# Altium PCB PCBv1.3.PcbDoc (part 2 of 2)
Units mil, origin at the board's own origin, x right, y up, seen from the top; angles counter-clockwise.
Board outline 3700.79 x 5244.09 mil, 2 copper layers (Top Layer, Bottom Layer), stack 63.6 mil thick; 137 components, 118 nets, 592 pads, 791 vias.
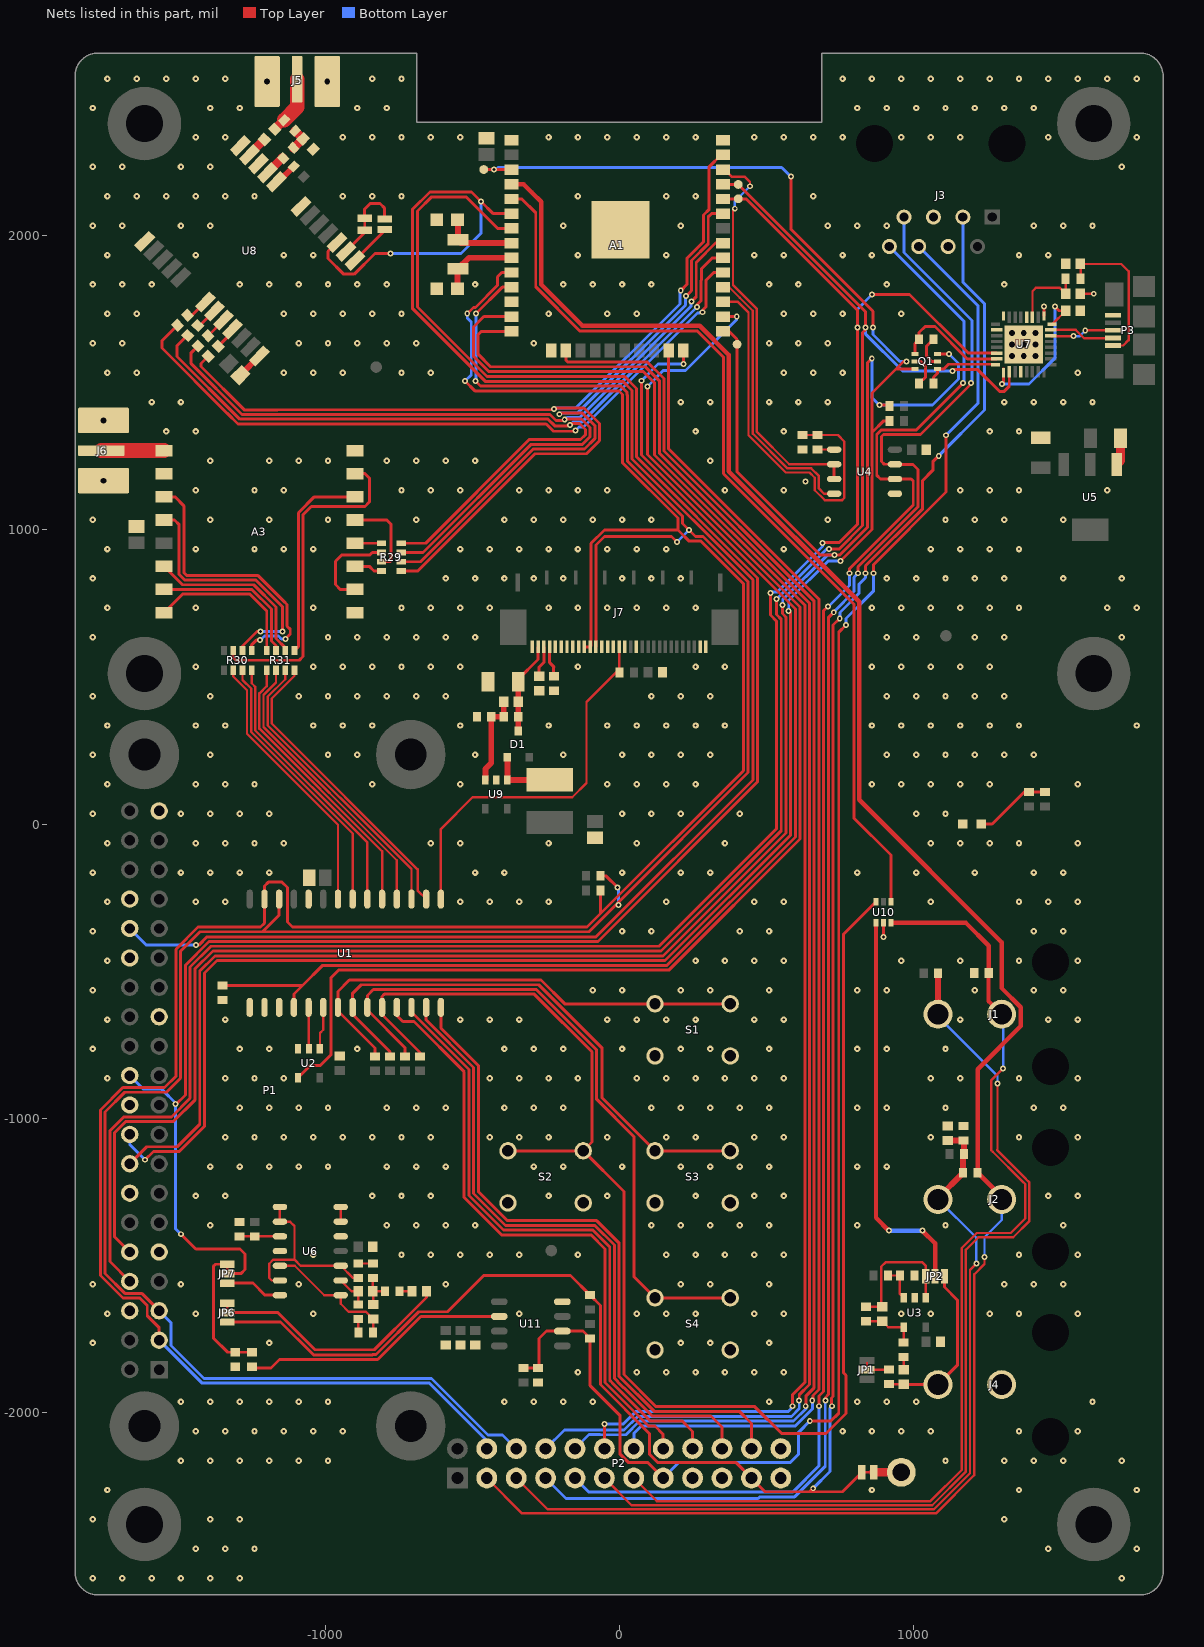
[diagram p2: the nets of this part, all layers, seen from the top]

## Via types
v1: diameter 22, hole 8, Top Layer to Bottom Layer, tented both sides, 673 vias
v2: diameter 20, hole 10, Top Layer to Bottom Layer, tented both sides, 102 vias
v3: diameter 35, hole 20, Top Layer to Bottom Layer, tented top, 9 vias
v4: diameter 50, hole 28, Top Layer to Bottom Layer, tented both sides, 7 vias

## Nets (pads, with @x,y where several pads share a name; then routed paths per layer and width w, separated by ;. In a path a pad name is that pad's centre, name@x,y a point inside that pad or via, vN(x,y) a via of type N, cw(c..) or ccw(c..) an arc to the next point about the centre after c; other vN are vias at no path point) (continued)
60Hz: A1.7 JP7.2 P1.22 | length 6791
  Top Layer w10: v2(-1508.47,-952.26) -1508.47,-954.79 -1475,-921.32 -1475,-480 -1394.75,-399.75 -72.17,-399.75 471,143.42 471,837.02 59.83,1248.19 59.83,1472.64 59.54,1472.94 59.54,1481 18.93,1521.61 -448.82,1521.61 -685.91,1758.69 -685.91,2084.57 -637.43,2133.05 -520.32,2133.05 -412.87,2025.6 A1.7@-366.24,2025.6 ; v2(-1490,-1395.04) -1439.56,-1445.48 -1289.28,-1445.48 -1272.18,-1462.59 -1272.18,-1514.77 -1286.7,-1529.29 JP7.2@-1332.48,-1529.29
  Bottom Layer w10: P1.22@-1664.17,-855.51 -1617.56,-902.13 -1555.37,-902.13 -1505.24,-952.26 v2(-1508.47,-952.26) -1508.47,-1376.57 v2(-1490,-1395.04)
60HzAnt: J3.3 JP5.2 JP6.1 P2.21 R46.1 | length 7459.5
  Top Layer w10: JP6.1@-1332.48,-1693.73 -1151.14,-1693.73 -1039.67,-1805.2 -839.3,-1805.2 -838.2,-1804.11 -826.47,-1804.11 -681.04,-1658.69 -583.81,-1658.69 -460.49,-1535.37 -165.46,-1535.37 R46.1@-98.43,-1602.4 -63.71,-1637.12 -63.71,-1906.29 103.57,-2073.57 103.57,-2143.64 130.77,-2170.84 396.43,-2170.84 P2.21@450,-2224.41 496.43,-2270.84 648.5,-2270.84 ; v2(660.13,-2259.21) 648.5,-2270.84 ; v2(723.92,-1980) 722.6,-1978.68 722.6,-1951.99 727.51,-1947.08 727.51,676.47 v2(750.34,699.3) ; JP5.2@825.69,-2204.72 759.57,-2270.84 648.5,-2270.84 ; v2(838.28,852.73) 838.28,878.03 1032.3,1072.05 1032.3,1168.34 1066.95,1202.98 1066.95,1231.9 v2(1087.15,1252.1)
  Bottom Layer w10: v2(660.13,-2259.21) 717,-2202.34 717,-1986.92 v2(723.92,-1980) ; v2(750.34,699.3) 751,699.96 751,719.5 815.16,783.66 815.16,814.57 838.28,837.7 v2(838.28,852.73) ; v2(1087.15,1252.1) 1242.77,1407.73 1242.77,1769.57 1168.96,1843.38 J3.3@1168.96,2064
60HzAntRef: J3.6 P2.15 R44.2 R45.2 R47.1 U11.2 | length 5941.4
  Top Layer w10: R47.1@-325.41,-1850.22 R45.2@-275.7,-1850.22 -272.06,-1846.58 -272.06,-1750 -246.75,-1724.69 U11.2@-193.04,-1724.69 -123.03,-1724.69 R44.2@-98.43,-1749.3 -98.43,-1910.32 3.57,-2012.31 3.57,-2143.64 30.77,-2170.84 96.43,-2170.84 P2.15@150,-2224.41 ; v2(648.5,-2030.68) 719.99,-2030.68 746.91,-2003.76 746.91,651.74 v2(771.64,676.47) ; v2(865.69,852.73) 865.69,882.65 1111.71,1128.67 v2(1111.71,1322.18)
  Bottom Layer w10: P2.15@150,-2224.41 203.57,-2170.84 582.64,-2170.84 610.74,-2142.74 610.74,-2068.44 v2(648.5,-2030.68) ; v2(771.64,676.47) 771.64,698.96 865.69,793.01 v2(865.69,852.73) ; J3.6@1018.96,1964 1220.37,1762.59 1220.37,1430.84 v2(1111.71,1322.18)
60HzPulse_OffBoard: JP7.3 R42.1 R43.2 | length 445.3
  Top Layer w10: JP7.3@-1332.48,-1497.29 -1372.88,-1497.29 -1379.94,-1504.35 -1379.94,-1747.66 -1331.01,-1796.6 R43.2@-1305.17,-1796.6 R42.1@-1248.65,-1796.6
60HzPulse_OnBoard: JP7.1 U6.14 | length 196
  Top Layer w10: JP7.1@-1332.48,-1561.29 -1245.4,-1561.29 -1204.28,-1602.4 U6.14@-1153.52,-1602.4
BTN1: R36.1 S1.1 S1.2 U1.21 | length 1656.2
  Top Layer w10: R36.1@-830.4,-790.04 -830.4,-761.91 -956.05,-636.25 U1.21@-956.05,-623.67 -956.05,-569.31 -917.4,-530.66 -265.69,-530.66 -184.93,-611.42 S1.1@122.05,-611.42 S1.2@377.95,-611.42
BTN2: R37.1 S3.1 S3.2 U1.22 | length 1896.2
  Top Layer w10: R37.1@-779.25,-790.04 -779.25,-774.93 -906.05,-648.12 U1.22@-906.05,-623.67 -906.05,-575.63 -877.08,-546.66 -273.08,-546.66 -58.84,-760.9 -58.84,-930.53 S3.1@122.05,-1111.42 S3.2@377.95,-1111.42
BTN3: R38.1 S4.1 S4.2 U1.23 | length 2314.7
  Top Layer w10: R38.1@-728.1,-790.04 -728.1,-760.6 -856.05,-632.64 U1.23@-856.05,-623.67 -856.05,-582.93 -835.78,-562.66 -281.79,-562.66 -76.31,-768.14 -76.31,-936.2 50.75,-1063.26 50.75,-1540.12 S4.1@122.05,-1611.42 S4.2@377.95,-1611.42
BTN4: R39.1 S2.3 S2.4 U1.24 U10.6 | length 5135.3
  Top Layer w10: R39.1@-676.95,-790.04 -676.95,-776.93 -806.05,-647.83 U1.24@-806.05,-623.67 -806.05,-586.2 -798.51,-578.66 -288.42,-578.66 -92.31,-774.77 -92.31,-1081.69 S2.3@-122.05,-1111.42 ; S2.4@-377.95,-1111.42 S2.3@-122.05,-1111.42 ; U10.6@873.74,-264.13 762.91,-374.96 762.91,-1866.31 771.64,-1875.04 771.64,-2005.17 703.97,-2072.84 552.96,-2072.84 461.64,-1981.52 125.82,-1981.52 16.29,-1872 16.29,-1249.76 S2.3@-122.05,-1111.42
C\S\_SX: A3.5 R29.7 | length 286
  Top Layer w10: A3.5@-898.19,1033.87 -790.15,1033.87 -775.26,1018.98 -775.26,896.87 -780.23,891.89 R29.7@-808,891.89
CT: A1.4 J2.1 P2.3 R8.2 | length 7262.9
  Top Layer w8: P2.3@-450,-2224.41 -329.76,-2344.65 1077.53,-2344.65 1207.93,-2214.26 1207.93,-1531.59 1242.77,-1496.75 v2(1242.77,-1472.6)
  Top Layer w15: A1.4@-368.89,2175.16 -324.29,2175.16 -297.17,2148.04 -265.03,2115.89 -265.03,1834.81 -124.86,1694.64 273.85,1694.64 373.27,1595.22 373.27,1199.05 816.69,755.62 816.69,82.1 1300.75,-401.96 1300.75,-557.84 1366.29,-623.38 1366.29,-686.84 1219.35,-833.77 R8.2@1219.35,-1186.09 1301.08,-1267.81 J2.1@1301.08,-1276.77
  Bottom Layer w8: v2(1242.77,-1472.6) 1242.77,-1405.11 1301.08,-1346.81 J2.1@1301.08,-1276.77
CT_N: C29.2 J2.2 P2.5 R8.1 R9.1 R10.2 | length 2923.2
  Top Layer w8: P2.5@-350,-2224.41 -243.76,-2330.65 1071.02,-2330.65 1193.43,-2208.25 1193.43,-1516.57 v2(1215,-1495)
  Top Layer w20: J2.2@1084.54,-1276.77 1084.54,-1271.69 R8.1@1170.14,-1186.09 1170.14,-1124.87 R9.1@1172.53,-1122.49 1172.53,-1077.4 R10.2@1171.7,-1076.58 1118.68,-1076.58 C29.2@1118.26,-1076.16
  Bottom Layer w8: J2.2@1084.54,-1276.77 1215,-1407.23 v2(1215,-1495)
D_SEL: JP4.2 U8.2 | length 98.3
  Top Layer w10: U8.2@-928.85,1947.58 -865.44,2011 JP4.2@-865.44,2019.59
DIO0: R31.3 U1.3 | length 1005.9
  Top Layer w8: R31.3@-1135.42,522.96 -1135.42,492.45 -1195.27,432.59 -1195.27,336.01 -706.05,-153.21 U1.3@-706.05,-255.56
DIO0_SX: A3.14 R31.6 | length 599.5
  Top Layer w10: A3.14@-1547.8,876.39 -1485.06,813.65 -1242.33,813.65 -1166.41,737.73 -1166.41,630.53 -1135.42,599.54 R31.6@-1135.42,589.88
DIO1: R31.2 U1.4 | length 983.8
  Top Layer w8: R31.2@-1166.91,522.96 -1166.91,480.75 -1209.27,438.39 -1209.27,330.1 -756.05,-123.12 U1.4@-756.05,-255.56
DIO1_SX: A3.15 R31.7 | length 540.6
  Top Layer w10: A3.15@-1547.8,797.65 -1248.95,797.65 -1182.41,731.1 -1182.41,622.12 -1166.91,606.63 R31.7@-1166.91,589.88
DIO2: R31.1 U1.5 | length 961.6
  Top Layer w8: R31.1@-1198.41,522.96 -1198.41,469.06 -1223.27,444.19 -1223.27,324.3 -806.05,-92.92 U1.5@-806.05,-255.56
DIO2_SX: A3.16 R31.8 | length 533.8
  Top Layer w10: A3.16@-1547.8,718.48 -1484.63,781.65 -1255.58,781.65 -1198.41,724.48 R31.8@-1198.41,589.88
DIO3: R30.4 U1.6 | length 941.5
  Top Layer w8: R30.4@-1249.5,522.96 -1249.5,478.54 -1237.27,466.32 -1237.27,318.5 -856.05,-62.72 U1.6@-856.05,-255.56
DIO3_SX: A3.11 R30.5 | length 982.6
  Top Layer w10: A3.11@-1547.8,1112.61 -1510.62,1112.61 -1480.22,1082.21 -1480.22,855.04 -1470.83,845.65 -1229.07,845.65 -1139.01,755.58 -1138.37,755.58 -1129,746.21 -1129,672.8 -1118.38,662.18 -1118.38,645.81 v2(-1135.18,629) ; R30.5@-1249.5,589.88 -1249.5,609.5 -1233.86,625.14 v2(-1221.25,625.14)
  Bottom Layer w10: v2(-1221.25,625.14) -1220.16,625.14 -1206.3,639 -1158.7,639 -1148.63,628.94 -1148.57,629 v2(-1135.18,629)
DIO4: R30.3 U1.7 | length 933.8
  Top Layer w8: R30.3@-1280.99,522.96 -1280.99,490.24 -1251.27,460.52 -1251.27,312.7 -906.05,-32.52 U1.7@-906.05,-255.56
DIO4_SX: A3.12 R30.6 | length 880.8
  Top Layer w10: A3.12@-1547.8,1033.87 -1512.03,1033.87 -1496.22,1018.06 -1496.22,848.42 -1477.46,829.65 -1235.7,829.65 -1145.64,739.58 -1145,739.58 v2(-1145,655) ; R30.6@-1280.99,589.88 -1280.99,605.58 -1231.58,655 v2(-1220,655)
  Bottom Layer w10: v2(-1220,655) v2(-1145,655)
DIO5: R30.2 U1.8 | length 926.2
  Top Layer w8: R30.2@-1312.49,522.96 -1312.49,501.94 -1265.27,454.72 -1265.27,306.91 -956.05,-2.32 U1.8@-956.05,-255.56
DIO5\_SX: A3.7 R30.7 | length 1132.2
  Top Layer w10: R30.7@-1312.49,589.88 -1312.49,566.88 -1302.45,556.84 -1087.69,556.84 -1074.79,569.74 -1074.79,1051.66 -1046.74,1079.7 -864.58,1079.7 -849.41,1094.88 -849.41,1176.84 -863.92,1191.35 A3.7@-898.19,1191.35
Filtered: C14.1 R24.1 U6.1 U6.12 | length 455.3
  Top Layer w8: U6.12@-1153.52,-1502.4 -1102.86,-1502.4 -1002.86,-1602.4 U6.1@-946.83,-1602.4 -946.83,-1631.72 -919.78,-1658.77 -860.93,-1658.77 C14.1@-836.31,-1683.38 -836.31,-1727.95 R24.1@-837.33,-1728.96
FTDI_3.3V: C18.2 U7.1 U7.16 | length 564.2
  Top Layer w8: U7.16@1462.76,1699.99 1473.47,1699.99 C18.2@1519.07,1745.59
  Top Layer w10: v2(1302.31,1496.04) 1307.25,1500.98 U7.1@1307.25,1534.63 U7.1@1307.25,1548.17 ; v2(1481.96,1759.9) 1496.27,1745.59 C18.2@1519.07,1745.59
  Bottom Layer w10: v2(1302.31,1496.04) 1393.66,1496.04 1481.96,1584.34 v2(1481.96,1759.9)
FTDI_DTR: Q1.1 R25.2 U7.31 | length 395.4
  Top Layer w10: Q1.1@1006.51,1598.83 1006.51,1634.72 R25.2@1020.29,1648.5 1020.29,1671.21 1040.8,1691.72 1074.29,1691.72 1184.13,1581.88 U7.31@1283.63,1581.88
FTDI_RTS: Q1.4 R26.2 U7.32 | length 258.8
  Top Layer w10: R26.2@1069.51,1498.01 1069.51,1519.05 1083.29,1532.83 Q1.4@1083.29,1547.65 1104.19,1547.65 1120.03,1563.48 1278.4,1563.48 U7.32@1279.69,1562.19
GND: A1.0 A1.1 A1.15 A1.38 A3.1 A3.8 A3.10 C1.1 C2.1 C3.1 C4.1 C5.1 C6.1 C7.1 C10.1 C11.1 C15.1 C16.1 C17.1 C18.1 C20.1 C21.1 C22.1 C23.1 C24.1 C25.1 C26.1 C28.1 C29.1 C30.1 C31.1 D2.K J3.4 J3.5 J4.1 J5.2 J6.2 J7.1 J7.2 J7.13 J7.15 J7.17 J7.18 J7.19 J7.23 J7.24 J7.25 J7.26 J7.27 J7.31 JP3.1 JP4.1 JP6.3 P1.6 P1.9 P1.14 P1.20 P1.25 P1.30 P1.34 P1.39 P2.23 P2.24 P3.5 R3.1 R7.1 R10.1 R12.1 R14.1 R19.1 R32.2 R35.1 R43.1 R45.1 S1.3 S1.4 S2.1 S2.2 S3.3 S3.4 S4.3 S4.4 U1.10 U1.15 U1.16 U1.17 U2.3 U3.2 U4.5 U5.1 U6.5 U6.11 U7.4 U7.17 U7.20 U7.24 U7.26 U7.33 U8.7 U8.10 U8.12 U8.13 U8.24 U9.2 U10.2 U11.4 | length 614.3
  Top Layer w10: JP4.1@-865.44,2069.59 -865.44,2090.98 -846.41,2110 -813.26,2110 -797.11,2093.85 JP3.1@-797.11,2057.31 ; JP4.1@-850.44,2054.59 JP4.1@-850.44,2057.31 ; v2(899.33,-383.75) U10.2@899.33,-336.5 ; U7.17@1445.05,1727.54 v2(1445.03,1760.5) ; C17.1@1568.28,1803.25 v2(1614.17,1803.25)
  Top Layer w20: C20.1@-1288.28,1526.55 -1223.5,1591.33 U8.24@-1223.5,1591.69 ; C29.1@1118.26,-1026.95 C29.1@1118.68,-1027.36
  Top Layer w30: U5.1@1692.77,1222.52 1705.42,1235.17 C11.1@1705.42,1311.93
  Bottom Layer w10: v3(1336.78,1631.09) v3(1376.15,1631.09) ; v3(1376.15,1591.72) v3(1376.15,1631.09) ; v3(1376.15,1670.46) v3(1376.15,1631.09) ; v3(1415.52,1631.09) v3(1376.15,1631.09)
  other v1: -1790,-2565 -1690,-2565 -1590,-2565 -1490,-2565 -1390,-2565 -1290,-2565 1710,-2565 -1440,-2465 -1340,-2465 -1240,-2465 1460,-2465 1760,-2465 -1790,-2365 -1390,-2365 -1290,-2365 1310,-2365 -1740,-2265 860,-2265 1360,-2265 1760,-2265 -1490,-2165 -1390,-2165 -1290,-2165 -1190,-2165 -1090,-2165 -990,-2165 1110,-2165 1310,-2165 1410,-2165 1510,-2165 1710,-2165 -1440,-2065 -1340,-2065 -1240,-2065 -1140,-2065 -1040,-2065 -940,-2065 760,-2065 860,-2065 960,-2065 1060,-2065 1360,-2065 1560,-2065 -1490,-1965 -1390,-1965 -1290,-1965 -1190,-1965 -1090,-1965 -990,-1965 -390,-1965 -290,-1965 -190,-1965 -90,-1965 510,-1965 810,-1965 910,-1965 1010,-1965 1610,-1965 -140,-1865 60,-1865 160,-1865 260,-1865 360,-1865 460,-1865 560,-1865 -1790,-1765 -1190,-1765 210,-1765 310,-1765 510,-1765 -1740,-1665 -1440,-1665 -1040,-1665 -340,-1665 60,-1665 160,-1665 260,-1665 460,-1665 560,-1665 960,-1665 1060,-1665 1260,-1665 1360,-1665 1560,-1665 -1790,-1565 -1490,-1565 -1090,-1565 -590,-1565 210,-1565 310,-1565 510,-1565 1310,-1565 1410,-1565 1510,-1565 -1040,-1465 -740,-1465 -640,-1465 -540,-1465 -440,-1465 -340,-1465 -140,-1465 160,-1465 260,-1465 360,-1465 460,-1465 560,-1465 1360,-1465 1560,-1465 -1390,-1365 -790,-1365 -690,-1365 -590,-1365 -490,-1365 110,-1365 210,-1365 310,-1365 410,-1365 510,-1365 810,-1365 1110,-1365 1510,-1365 -1440,-1265 -1340,-1265 -840,-1265 -740,-1265 -640,-1265 -240,-1265 -40,-1265 260,-1265 460,-1265 560,-1265 1460,-1265 1560,-1265 -1390,-1165 -1290,-1165 -1190,-1165 -1090,-1165 -990,-1165 -790,-1165 -690,-1165 -590,-1165 -290,-1165 -190,-1165 10,-1165 210,-1165 310,-1165 410,-1165 510,-1165 810,-1165 910,-1165 -1340,-1065 -1240,-1065 -1140,-1065 -1040,-1065 -940,-1065 -840,-1065 -740,-1065 -640,-1065 -440,-1065 -340,-1065 -240,-1065 -40,-1065 160,-1065 260,-1065 460,-1065 560,-1065 1060,-1065 1360,-1065 1560,-1065 -1290,-965 -1190,-965 -1090,-965 -990,-965 -790,-965 -690,-965 -590,-965 -390,-965 -290,-965 -190,-965 110,-965 210,-965 310,-965 410,-965 510,-965 810,-965 910,-965 1110,-965 1410,-965 1510,-965 -1740,-865 -1340,-865 -1240,-865 -1140,-865 -440,-865 -340,-865 -240,-865 -140,-865 60,-865 160,-865 260,-865 360,-865 460,-865 560,-865 1060,-865 1160,-865 1360,-865 1560,-865 -1790,-765 -1290,-765 -1190,-765 -890,-765 -390,-765 -290,-765 -190,-765 10,-765 210,-765 310,-765 510,-765 810,-765 910,-765 1110,-765 -1740,-665 -1340,-665 -540,-665 -440,-665 -340,-665 -40,-665 60,-665 160,-665 260,-665 460,-665 560,-665 1160,-665 1460,-665 1560,-665 -1790,-565 -90,-565 10,-565 210,-565 310,-565 510,-565 810,-565 910,-565 1210,-565 1410,-565 1510,-565 -1740,-465 260,-465 360,-465 460,-465 560,-465 960,-465 1160,-465 1360,-465 1560,-465 -1790,-365 10,-365 110,-365 410,-365 510,-365 1410,-365 1510,-365 -1740,-265 -1440,-265 -1340,-265 -540,-265 -440,-265 -340,-265 -240,-265 160,-265 460,-265 560,-265 1060,-265 1360,-265 1460,-265 1560,-265 -1790,-165 -1490,-165 -1390,-165 -1290,-165 -1190,-165 -490,-165 -390,-165 10,-165 210,-165 310,-165 810,-165 1010,-165 1210,-165 1410,-165 1510,-165 -1740,-65 -1440,-65 -1340,-65 -1240,-65 -1140,-65 -640,-65 -540,-65 -240,-65 60,-65 360,-65 1060,-65 1160,-65 1260,-65 1360,-65 1560,-65 -1790,35 -1490,35 -1390,35 -1290,35 -1190,35 10,35 110,35 210,35 410,35 1010,35 1110,35 -1740,135 -1440,135 -1340,135 -1240,135 -840,135 -540,135 -40,135 60,135 160,135 260,135 860,135 960,135 1060,135 1160,135 1260,135 1560,135 -1790,235 -1390,235 -990,235 -890,235 -490,235 -190,235 10,235 110,235 210,235 310,235 910,235 1010,235 1110,235 1210,235 1310,235 1410,235 -1740,335 -1440,335 -1340,335 -1040,335 -940,335 -840,335 -540,335 -240,335 -40,335 60,335 160,335 260,335 360,335 860,335 960,335 1060,335 1160,335 1260,335 1360,335 1760,335 -1790,435 -1390,435 -1090,435 -990,435 -890,435 -790,435 -690,435 -590,435 110,435 210,435 310,435 910,435 1010,435 1110,435 1210,435 1310,435 -1440,535 -1040,535 -940,535 -840,535 -740,535 -640,535 -540,535 -140,535 260,535 360,535 860,535 960,535 1060,535 1160,535 1260,535 -1790,635 -990,635 -890,635 -790,635 -690,635 -590,635 -490,635 910,635 1010,635 1210,635 1310,635 1710,635 -1740,735 -1440,735 -1040,735 -740,735 -640,735 -540,735 -440,735 -240,735 -140,735 -40,735 60,735 160,735 260,735 860,735 960,735 1060,735 1160,735 1260,735 1360,735 1660,735 1760,735 -1790,835 -590,835 -490,835 -390,835 -290,835 -190,835 10,835 110,835 210,835 910,835 1010,835 1110,835 1210,835 1310,835 1510,835 1710,835 -1740,935 -1440,935 -1240,935 -1140,935 -1040,935 -540,935 -440,935 -340,935 -240,935 -140,935 -40,935 60,935 160,935 560,935 1060,935 1160,935 1260,935 1360,935 -1790,1035 -1390,1035 -1190,1035 -990,1035 -690,1035 -390,1035 -290,1035 -190,1035 -90,1035 10,1035 110,1035 710,1035 1110,1035 1210,1035 1310,1035 1510,1035 -1440,1135 -1240,1135 -1140,1135 -740,1135 -640,1135 -540,1135 -340,1135 -240,1135 -140,1135 -40,1135 360,1135 560,1135 1160,1135 1260,1135 1360,1135 1660,1135 -1390,1235 -1190,1235 -1090,1235 -990,1235 -790,1235 -690,1235 -590,1235 -490,1235 310,1235 -1540,1335 -1440,1335 260,1335 560,1335 1260,1335 1360,1335 -1590,1435 -1490,1435 210,1435 310,1435 510,1435 610,1435 710,1435 1310,1435 1410,1435 1510,1435 1610,1435 -1740,1535 -1640,1535 -1140,1535 -1040,1535 -940,1535 -740,1535 -640,1535 560,1535 660,1535 760,1535 1560,1535 -1790,1635 -1690,1635 -1090,1635 -990,1635 -890,1635 -790,1635 -690,1635 -290,1635 510,1635 610,1635 710,1635 -1740,1735 -1640,1735 -1140,1735 -1040,1735 -940,1735 -840,1735 -740,1735 -240,1735 -40,1735 60,1735 560,1735 660,1735 760,1735 960,1735 -1790,1835 -1690,1835 -1590,1835 -1290,1835 -1190,1835 -1090,1835 -990,1835 -890,1835 -790,1835 -490,1835 -190,1835 -90,1835 10,1835 110,1835 510,1835 610,1835 910,1835 1310,1835 -1740,1935 -1440,1935 -1140,1935 -1040,1935 -140,1935 160,1935 460,1935 560,1935 760,1935 860,1935 1360,1935 1460,1935 -1790,2035 -1690,2035 -1490,2035 -1390,2035 -190,2035 210,2035 710,2035 810,2035 910,2035 1410,2035 1510,2035 1610,2035 -1740,2135 -1640,2135 -1540,2135 -1440,2135 -1340,2135 -1240,2135 -940,2135 -840,2135 -740,2135 -140,2135 160,2135 260,2135 660,2135 -1790,2235 -1690,2235 -1490,2235 -1390,2235 1710,2235 -1440,2335 -1340,2335 -940,2335 -840,2335 -740,2335 -640,2335 -540,2335 -240,2335 -140,2335 -40,2335 60,2335 160,2335 260,2335 460,2335 560,2335 660,2335 760,2335 960,2335 1060,2335 1160,2335 1460,2335 1760,2335 -1790,2435 -1390,2435 -1290,2435 -890,2435 -790,2435 810,2435 910,2435 1010,2435 1110,2435 1210,2435 1310,2435 1410,2435 -1740,2535 -1640,2535 -1540,2535 -1440,2535 -1340,2535 -840,2535 -740,2535 760,2535 860,2535 960,2535 1060,2535 1160,2535 1260,2535 1360,2535 1460,2535 1560,2535 1660,2535 1760,2535
  other v2: 633.59,1164.26
  other v3: 1336.78,1591.72 1415.52,1591.72 1336.78,1670.46 1415.52,1670.46
GPIO1: A1.14 P2.8 | length 5479.1
  Top Layer w10: A1.14@-366.24,1675.6 -468.07,1675.6 -479.32,1664.36 -479.32,1597.36 -436.96,1555 89.12,1555 136.68,1507.44 136.68,1261.85 647.51,751.02 647.51,-1906.21 612.68,-1941.04 v2@612.68,-1959.22
  Bottom Layer w10: P2.8@-250,-2124.41 -186.07,-2060.48 -59.22,-2060.48 -58.7,-2061 16.87,-2061 63.19,-2014.68 586.16,-2014.68 612.68,-1988.17 v2@612.68,-1959.22
  other v2: 612.32,-1960.18
GPIO2: A1.16 P2.10 | length 4961.4
  Top Layer w10: A1.16@-181.32,1610.6 -181.32,1578.24 -174.57,1571.49 95.85,1571.49 152.68,1514.66 152.68,1268.48 663.51,757.64 663.51,-1916.95 636.12,-1944.34 636.12,-1951.32 635.96,-1951.48 635.96,-1968.88 636.12,-1969.03 v2@636.12,-1975.01
  Bottom Layer w10: P2.10@-150,-2124.41 -102.07,-2076.48 -65.85,-2076.48 -65.33,-2077 23.5,-2077 69.82,-2030.68 593.33,-2030.68 636.12,-1987.9 v2@636.12,-1975.01
  other v2: 634.64,-1980
GPIO3: A1.13 P2.12 | length 5357.5
  Top Layer w10: A1.13@-366.24,1725.6 -460.14,1725.6 -495.36,1690.39 -495.36,1590.77 -443.59,1539 82.49,1539 120.68,1500.81 120.68,1255.22 631.51,744.39 631.51,-1899.58 590,-1941.09 v2@590,-1975 ; P2.12@-50,-2124.41 v2(-50,-2040)
  Bottom Layer w10: v2(-50,-2040) 15.24,-2040 56.59,-1998.66 574.79,-1998.66 590,-1983.45 v2(590,-1980) v2@590,-1975
GPIO4: A1.23 P2.14 | length 4514
  Top Layer w10: A1.23@168.68,1610.6 168.68,1275.11 679.51,764.27 679.51,-1923.58 659.56,-1943.53 v2@659.56,-1960.18
  Bottom Layer w10: P2.14@50,-2124.41 50,-2073.13 76.44,-2046.68 599.96,-2046.68 658.02,-1988.63 658.02,-1961.72 v2@659.56,-1960.18
  other v2: 656.96,-1960.18
GPIO5: P2.16 U1.25 | length 2088.5
  Top Layer w10: U1.25@-756.05,-623.67 -756.05,-651.36 -735.65,-671.75 -697.89,-671.75 -526.8,-842.85 -526.8,-1269.9 -399.52,-1397.18 -96,-1397.18 -47.71,-1445.48 -47.71,-1899.67 100.23,-2047.6 121.66,-2047.6 150,-2075.94 P2.16@150,-2124.41
GPIO6: P2.18 U1.26 | length 2138.4
  Top Layer w10: U1.26@-706.05,-623.67 -706.05,-639.58 -510.8,-834.84 -510.8,-1263.28 -392.89,-1381.18 -89.37,-1381.18 -31.71,-1438.85 -31.71,-1891.88 -22.57,-1901.02 -22.57,-1902.17 105.82,-2030.56 214.81,-2030.56 250,-2065.75 P2.18@250,-2124.41
GPIO7: P2.20 U1.27 | length 2212.7
  Top Layer w10: U1.27@-656.05,-623.67 -656.05,-666.95 -494.8,-828.21 -494.8,-1256.65 -386.26,-1365.18 -82.75,-1365.18 -15.71,-1432.22 -15.71,-1885.26 -4.5,-1896.46 -4.5,-1897.61 14.97,-1917.09 ; 15.55,-1916.51 112.56,-2013.52 312.51,-2013.52 350,-2051.01 P2.20@350,-2124.41
GPIO8: P2.22 U1.28 | length 2285.7
  Top Layer w10: U1.28@-606.05,-623.67 -606.05,-694.32 -478.8,-821.58 -478.8,-1250.02 -379.64,-1349.18 -76.12,-1349.18 0.29,-1425.59 0.29,-1878.63 119.19,-1997.52 408.97,-1997.52 450,-2038.55 P2.22@450,-2124.41